# Allegro board PCIE_FIBER_BOARD-1116.brd
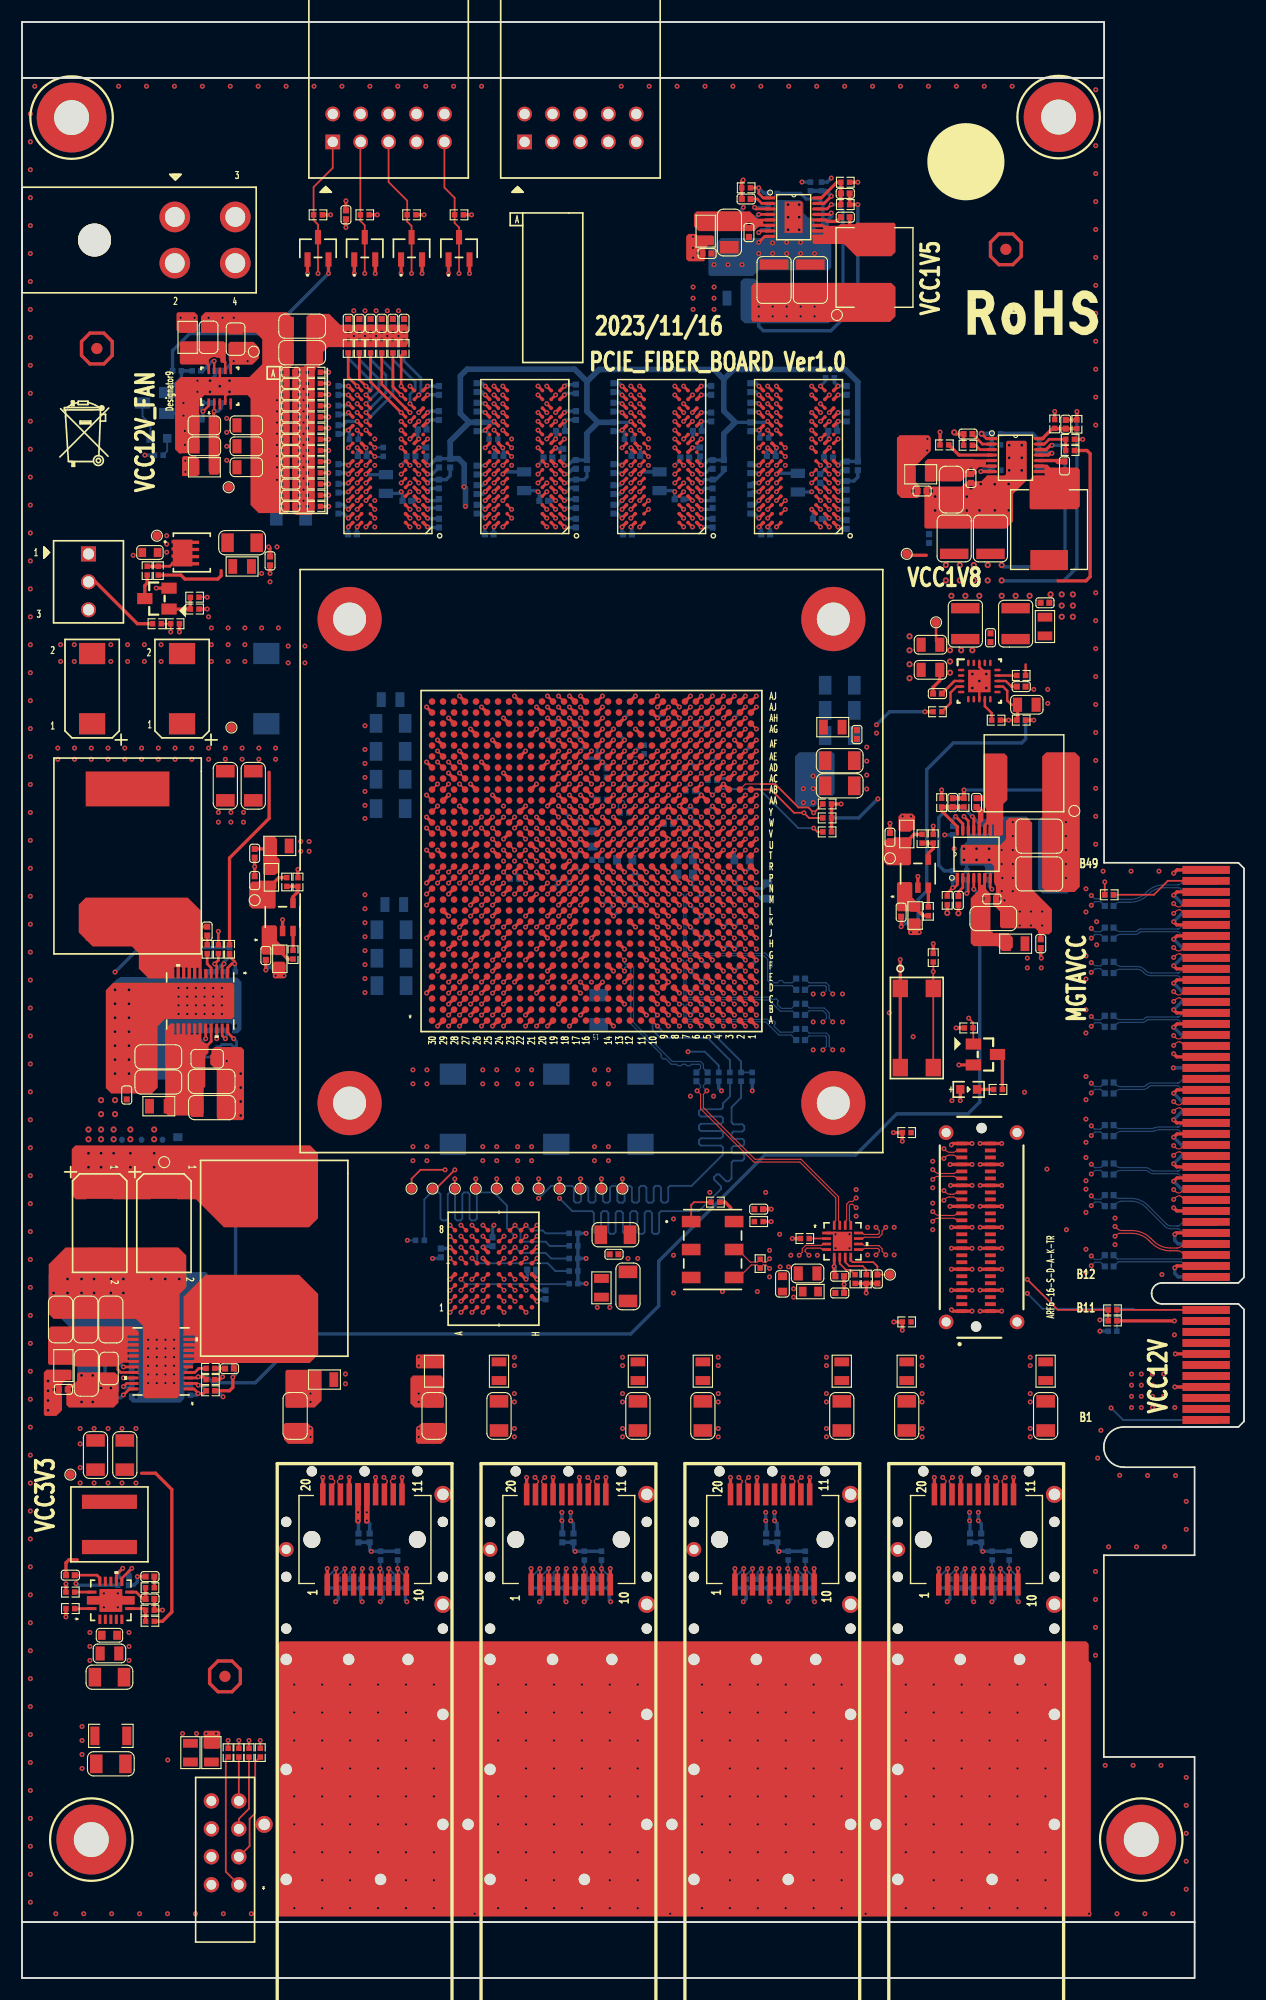
[diagram p0: board, top side]
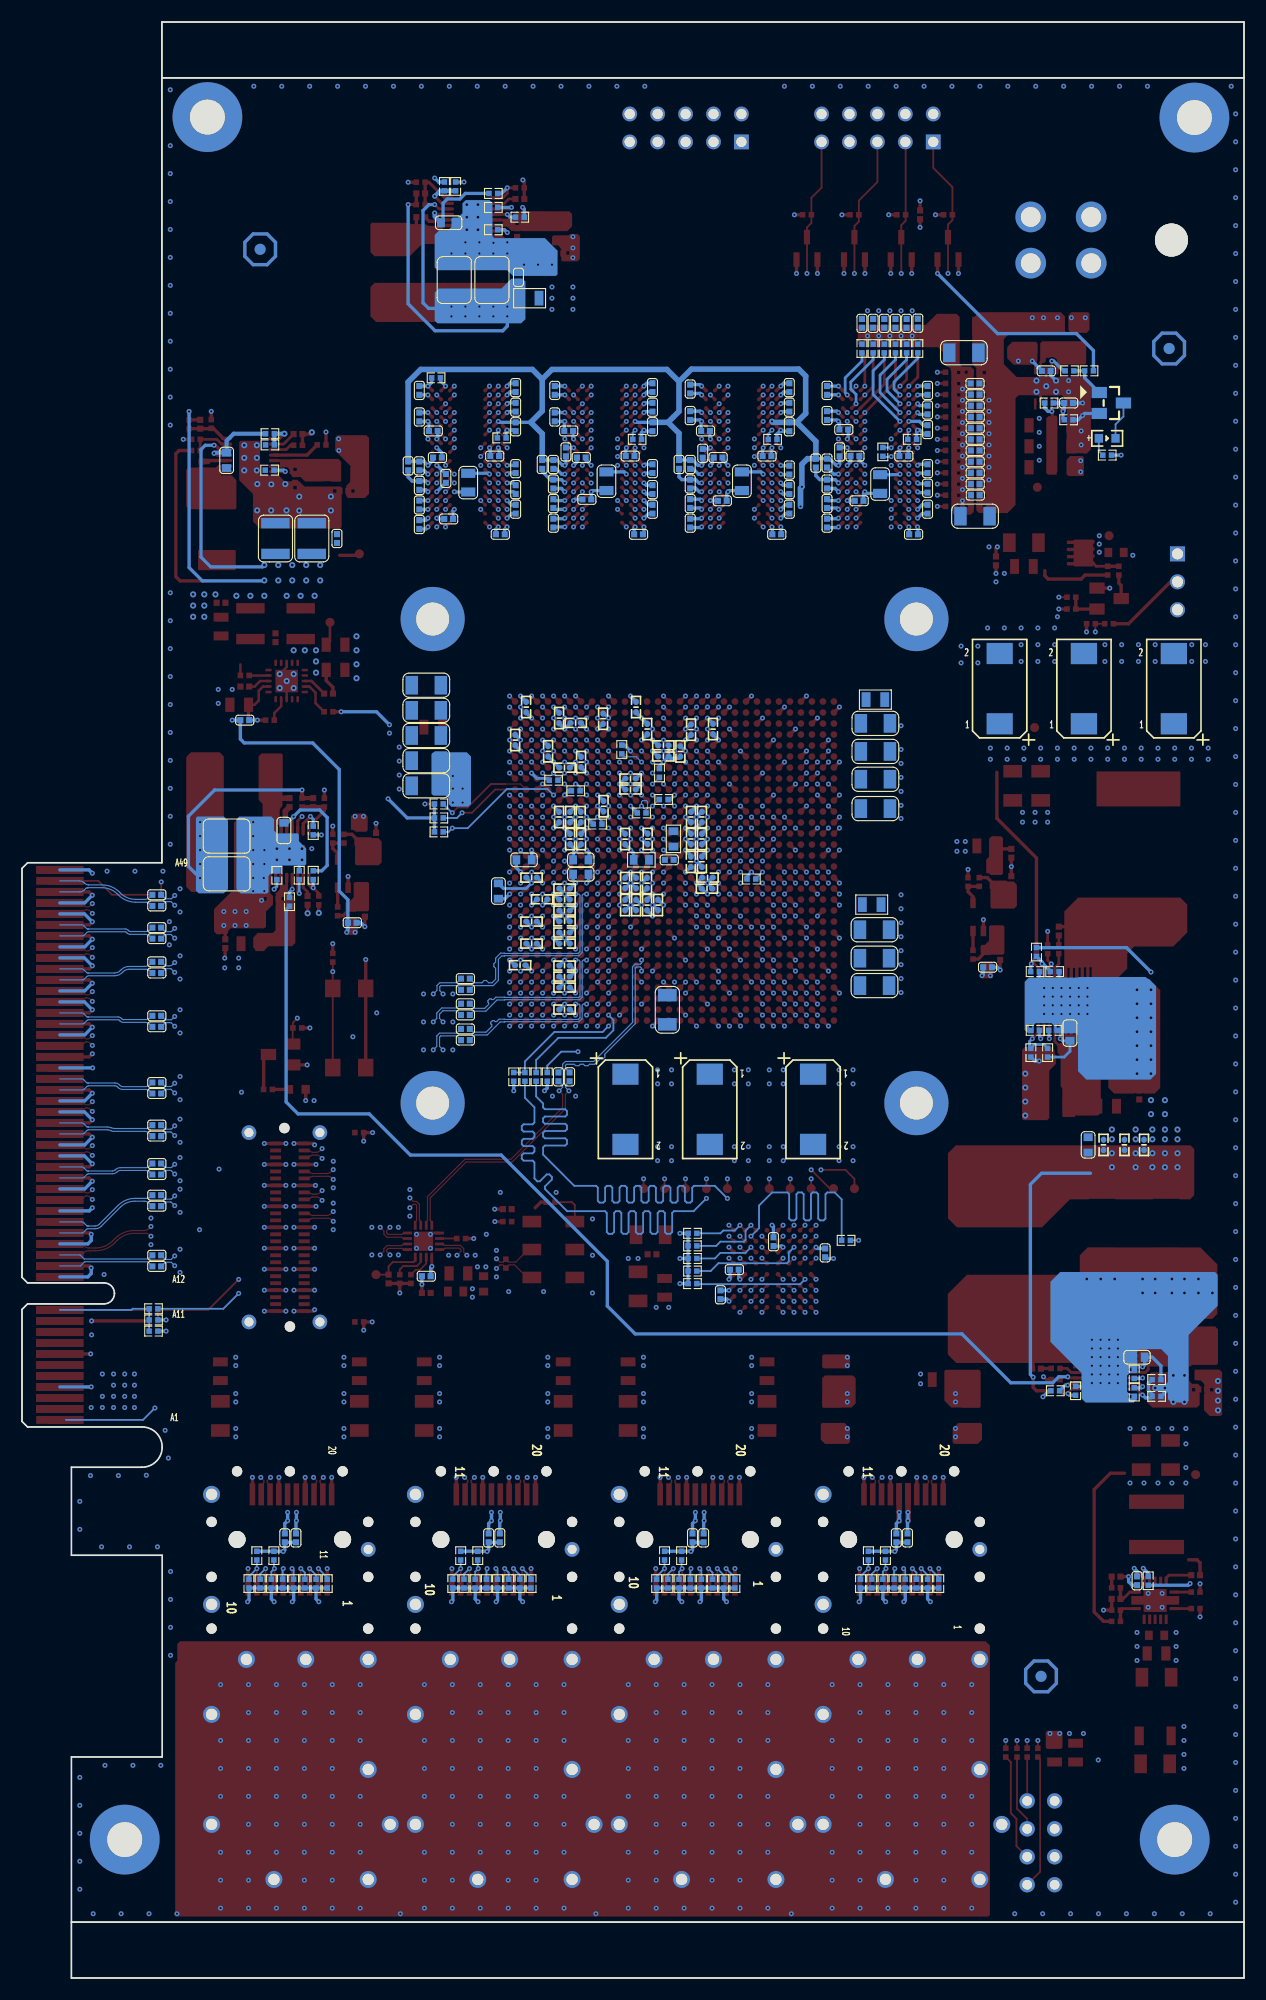
[diagram p1: board, bottom side, seen from below]

Outline 111.15 x 177.8 mm; copper layers: TOP, GND02, ART03, GND04, ART05, POWR06, GND07, ART08, GND09, ART10, GND11, BOTTOM. Coordinates in mm from the lower left corner of the outline.
Outline path: rectangle 0,172.72 98.42,177.8 ; rectangle 0,0 106.65,5.08 ; 0,172.72 0,177.8 98.42,177.8 98.42,172.72 ; 0,172.72 0,5.08 ; 0,172.72 0,5.08 ; 0,172.72 98.42,172.72 ; 0,172.72 98.42,172.72 ; 0,5.08 106.65,5.08 ; 0,5.08 106.65,5.08 ; 0,5.08 0,0 106.65,0 106.65,5.08 ; 106.65,5.08 106.65,20.09 ; 106.65,5.08 106.65,20.09 ; 98.4,48.26 arc(98.94,49.55) 100.23,50.09 ; 98.4,48.26 arc(98.94,49.55) 100.23,50.09 ; 98.4,48.26 arc(98.94,46.97) 100.23,46.43 ; 98.4,48.26 arc(98.94,46.97) 100.23,46.43 ; 100.23,50.09 110.64,50.09 ; 100.23,50.09 110.64,50.09 ; 98.4,38.43 106.65,38.43 ; 98.4,38.43 106.65,38.43 ; 98.4,38.43 98.4,20.09 ; 98.4,38.43 98.4,20.09 ; 106.65,38.43 106.65,46.43 ; 106.65,38.43 106.65,46.43 ; 98.4,20.09 106.65,20.09 ; 98.4,20.09 106.65,20.09 ; 98.42,172.72 98.42,101.37 ; 98.42,172.72 98.42,101.37 ; 98.42,101.37 110.64,101.37 ; 98.42,101.37 110.64,101.37 ; 110.64,50.09 111.15,50.6 ; 110.64,50.09 111.15,50.6 ; 100.23,46.43 106.65,46.43 ; 100.23,46.43 106.65,46.43 ; 102.74,62.24 arc(103.02,62.91) 103.68,63.18 ; 102.74,62.24 arc(103.02,62.91) 103.68,63.18 ; 102.74,62.24 102.74,62.22 ; 102.74,62.24 102.74,62.22 ; 103.68,63.18 110.64,63.18 ; 103.68,63.18 110.64,63.18 ; 102.74,62.22 arc(103.02,61.55) 103.68,61.28 ; 102.74,62.22 arc(103.02,61.55) 103.68,61.28 ; 110.64,63.18 111.15,63.69 ; 110.64,63.18 111.15,63.69 ; 103.68,61.28 110.64,61.28 ; 103.68,61.28 110.64,61.28 ; 110.64,101.37 111.15,100.86 ; 110.64,101.37 111.15,100.86 ; 111.15,63.69 111.15,100.86 ; 111.15,63.69 111.15,100.86 ; 110.64,61.28 111.15,60.77 ; 110.64,61.28 111.15,60.77 ; 111.15,50.6 111.15,60.77 ; 111.15,50.6 111.15,60.77

## Design rules (mm)
constraint set DEFAULT: min track width 0.165
net group FPGA_PCIE_REFCLK_N: nets FPGA_PCIE_REFCLK_N PCIE_CLK_100M_N
net group FPGA_PCIE_REFCLK_P: nets FPGA_PCIE_REFCLK_P PCIE_CLK_100M_P
net group FPGA_REFCLK_100M_N: nets FPGA_REFCLK_100M_N N16940258
net group FPGA_REFCLK_100M_P: nets FPGA_REFCLK_100M_P N16940256
net group FPGA_SFP_REFCLK_N: nets FPGA_SFP_REFCLK_N SFP_CLK_100M_N
net group FPGA_SFP_REFCLK_P: nets FPGA_SFP_REFCLK_P SFP_CLK_100M_P
net group FPGA_SFP_RX_0_: nets FPGA_SFP_RX_0_N FPGA_SFP_RX_0_P
net group FPGA_SFP_RX_1_: nets FPGA_SFP_RX_1_N FPGA_SFP_RX_1_P
net group FPGA_SFP_RX_2_: nets FPGA_SFP_RX_2_N FPGA_SFP_RX_2_P
net group FPGA_SFP_RX_3_: nets FPGA_SFP_RX_3_N FPGA_SFP_RX_3_P
net group FPGA_SFP_TX_0_: nets FPGA_SFP_TX_0_N FPGA_SFP_TX_0_P
net group FPGA_SFP_TX_1_: nets FPGA_SFP_TX_1_N FPGA_SFP_TX_1_P
net group FPGA_SFP_TX_2_: nets FPGA_SFP_TX_2_N FPGA_SFP_TX_2_P
net group FPGA_SFP_TX_3_: nets FPGA_SFP_TX_3_N FPGA_SFP_TX_3_P
net group MGT_CLK_100M_N: nets MGT_CLK_100M_N TEST_REFCLK_N
net group MGT_CLK_100M_P: nets MGT_CLK_100M_P TEST_REFCLK_P
net group NG_DDR3_D_0_7: nets DDR3_A_DQS0_N DDR3_A_DQS0_P
net group NG_DDR3_D_8_15: nets DDR3_A_DQS1_N DDR3_A_DQS1_P
net group NG_DDR3_D_16_23: nets DDR3_A_DQS2_N DDR3_A_DQS2_P
net group NG_DDR3_D_24_31: nets DDR3_A_DQS3_N DDR3_A_DQS3_P
net group NG_DDR3_D_32_39: nets DDR3_A_DQS4_N DDR3_A_DQS4_P
net group NG_DDR3_D_40_47: nets DDR3_A_DQS5_N DDR3_A_DQS5_P
net group NG_DDR3_D_48_55: nets DDR3_A_DQS6_N DDR3_A_DQS6_P
net group NG_DDR3_D_56_63: nets DDR3_A_DQS7_N DDR3_A_DQS7_P
net group PCIE_REFCLK_N: nets N16787011 PCIE_REFCLK_N
net group PCIE_REFCLK_P: nets N16787009 PCIE_REFCLK_P
net group PCIE_RXD_0_: nets PCIE_RXD_0_N PCIE_RXD_0_P
net group PCIE_RXD_1_: nets PCIE_RXD_1_N PCIE_RXD_1_P
net group PCIE_RXD_2_: nets PCIE_RXD_2_N PCIE_RXD_2_P
net group PCIE_RXD_3_: nets PCIE_RXD_3_N PCIE_RXD_3_P
net group PCIE_RXD_4_: nets PCIE_RXD_4_N PCIE_RXD_4_P
net group PCIE_RXD_5_: nets PCIE_RXD_5_N PCIE_RXD_5_P
net group PCIE_RXD_6_: nets PCIE_RXD_6_N PCIE_RXD_6_P
net group PCIE_RXD_7_: nets PCIE_RXD_7_N PCIE_RXD_7_P
net group PCIE_TXD_0_N: nets N16785066 PCIE_TXD_0_N
net group PCIE_TXD_0_P: nets N16785044 PCIE_TXD_0_P
net group PCIE_TXD_1_N: nets N16785116 PCIE_TXD_1_N
net group PCIE_TXD_1_P: nets N16785114 PCIE_TXD_1_P
net group PCIE_TXD_2_N: nets N16785182 PCIE_TXD_2_N
net group PCIE_TXD_2_P: nets N16785180 PCIE_TXD_2_P
net group PCIE_TXD_3_N: nets N16785248 PCIE_TXD_3_N
net group PCIE_TXD_3_P: nets N16785246 PCIE_TXD_3_P
net group PCIE_TXD_4_N: nets N16785314 PCIE_TXD_4_N
net group PCIE_TXD_4_P: nets N16785312 PCIE_TXD_4_P
net group PCIE_TXD_5_N: nets N16785380 PCIE_TXD_5_N
net group PCIE_TXD_5_P: nets N16785378 PCIE_TXD_5_P
net group PCIE_TXD_6_N: nets N16785512 PCIE_TXD_6_N
net group PCIE_TXD_6_P: nets N16785510 PCIE_TXD_6_P
net group PCIE_TXD_7_N: nets N16785578 PCIE_TXD_7_N
net group PCIE_TXD_7_P: nets N16785576 PCIE_TXD_7_P
net group TEST_TX_0_: nets TEST_TX_0_N TEST_TX_0_P
net group TEST_TX_1_: nets TEST_TX_1_N TEST_TX_1_P
net group TEST_TX_2_: nets TEST_TX_2_N TEST_TX_2_P
net group TEST_TX_3_: nets TEST_TX_3_N TEST_TX_3_P
net group VCXO_100M: nets VCXO_100M_N VCXO_100M_P
net group VR_32: nets VRN_32 VRP_32
net group VR_33: nets VRN_33 VRP_33
net group VR_34: nets VRN_34 VRP_34
net group 3W: nets FPGA_RESET FPGA_SFP0_IIC_SCL FPGA_SFP1_IIC_SCL FPGA_SFP2_IIC_SCL FPGA_SFP3_IIC_SCL FPGA_TCK PCIE_RST_N
net group BPI_FLASH_ADD: nets BPI_FLASH_A_0 BPI_FLASH_A_1 BPI_FLASH_A_2 BPI_FLASH_A_3 BPI_FLASH_A_4 BPI_FLASH_A_5 BPI_FLASH_A_6 BPI_FLASH_A_7 BPI_FLASH_A_8 BPI_FLASH_A_9 BPI_FLASH_A_10 BPI_FLASH_A_11 BPI_FLASH_A_12 BPI_FLASH_A_13 BPI_FLASH_A_14 BPI_FLASH_A_15 BPI_FLASH_A_16 BPI_FLASH_A_17 BPI_FLASH_A_18 BPI_FLASH_A_19 BPI_FLASH_A_20 BPI_FLASH_A_21 BPI_FLASH_A_22 BPI_FLASH_A_23 BPI_FLASH_A_24 BPI_FLASH_A_25
net group BPI_FLASH_CLK: nets BPI_FLASH_CLK
net group BPI_FLASH_QQ: nets BPI_FLASH_DQ_0 BPI_FLASH_DQ_1 BPI_FLASH_DQ_2 BPI_FLASH_DQ_3 BPI_FLASH_DQ_4 BPI_FLASH_DQ_5 BPI_FLASH_DQ_6 BPI_FLASH_DQ_7 BPI_FLASH_DQ_8 BPI_FLASH_DQ_9 BPI_FLASH_DQ_10 BPI_FLASH_DQ_11 BPI_FLASH_DQ_12 BPI_FLASH_DQ_13 BPI_FLASH_DQ_14 BPI_FLASH_DQ_15
net group BPI_FLASH_RST_B: nets BPI_FLASH_RST_B
net group BPI_FLASH_WAIT: nets BPI_FLASH_WAIT
net group POWER: nets $7N830 $7N832 $45N24 DDR_POWER_GOOD MGTAVCC_PG N16671344 N16672317 N16672324 N16672331 N16672704 N16673248 N16673267 N16673329 N16673629 N16716267 N16716359 N16716559 N16716571 N16716663 N16716703 N16716707 N16716803 N16717075 N16718397 N16720636 N16720676 N16721374 N16728285 N16728329 N16728485 N16728493 N16728501 N16728563 N16728607 N16728623 N16728663 N16728745 N16769397 N16769691 N16769695 N16769791 N16769823 N16769839 N16769935 N16770219 N16770359 N16771394 N16771812 N16773503 N16774020 N16774481 N16776070 N16776537 N16791990 N16797706 N16799597 N16799599 N16799687 N16804893 N16830782 N16831238 N16831254 N16831338 N16831858 N16834590 N16835504 N16835514 N16835584 N16836033 N16841265 N16841295 N16841309 N16841343 N16841418 N16841448 N16841487 N16841491 N16841601 N16881753 N17765267 N17766516 N22202204 N22202247 N22202333 N22202347 N22202393 N22202413 N22202417 N22202453 N22202455 N22202599 N22202663 VCC1V5_PG VCC1V8_PG VCC2V5 VCCINT_FPGA_PG VREG XADC_VCC

## Placement (name value [footprint] x y rotation side)
C2  0.1UF  [C0402]  52.28 101.64 0 bottom
C13  0.1UF  [C0402]  24.45 135.8 180 bottom
C14  0.1UF  [C0402]  24.45 136.81 180 bottom
C15  0.1UF  [C0402]  24.45 137.83 180 bottom
C97  0.1UF  [C0402]  17.99 146.09 180 bottom
C123  47UF  [C1206]  74.38 108.37 0 bottom
C143  47UF  [C1206]  33.53 106.3 180 bottom
C144  4.7UF  [C0402_BGA]  61.8 88.03 0 bottom
C145  4.7UF  [C0402_BGA]  12.78 75.73 90 bottom
C146  4.7UF  [C0402_BGA]  64.8 94.03 180 bottom
C147  4.7UF  [C0402_BGA]  63.84 98.05 180 bottom
C148  4.7UF  [C0402_BGA]  60.3 103.53 90 bottom
C150  4.7UF  [C0402_BGA]  50.3 105.53 90 bottom
C151  4.7UF  [C0402_BGA]  48.8 100.03 180 bottom
C152  4.7UF  [C0402_BGA]  50.32 101.46 90 bottom
C153  4.7UF  [C0402_BGA]  53.3 97.53 270 bottom
C159  100UF  [C1206]  52.45 88.01 270 bottom
C160  100UF  [C1206]  74.38 115.23 0 bottom
C161  100UF  [C1206]  74.38 117.51 0 bottom
C162  100UF  [C1206]  74.38 112.94 0 bottom
C187  0.01UF  [C0402]  63.83 137.58 90 bottom
C224  4.7UF  [C0805]  16.97 149.14 90 top
C250  10UF  [C0805]  57.99 136.06 270 bottom
C271  1000PF  [C0402]  15.96 143.17 180 bottom
C340  10UF  [C0805]  16.59 141.13 180 top
C341  10UF  [C0805]  16.59 139.23 180 top
C342  10UF  [C0805]  20.4 141.14 0 top
C343  10UF  [C0805]  20.4 137.33 0 top
C344  10UF  [C0805]  20.4 139.23 0 top
C399  47UF  [C1206]  74.38 110.66 0 bottom
C400  100UF  [C1206]  33.53 108.97 180 bottom
C401  100UF  [C1206]  33.53 114.05 180 bottom
C402  100UF  [C1206]  33.61 90.21 180 bottom
C418  47UF  [C1206]  74.38 108.37 0 top
C419  4.7UF  [C0402_BGA]  54.3 99.53 270 bottom
C420  4.7UF  [C0402_BGA]  56.3 103.53 270 bottom
C421  47UF  [C1206]  74.38 110.66 0 top
C422  4.7UF  [C0402_BGA]  54.24 103.55 270 bottom
C461  0.1UF  [C0402_BGA]  55.8 108.03 0 bottom
C462  0.1UF  [C0402_BGA]  61.8 110.02 0 bottom
C463  0.1UF  [C0402_BGA]  60.78 114.09 0 bottom
C490  0.1UF  [C0402_BGA]  50.29 113.47 90 bottom
C491  0.1UF  [C0402_BGA]  54.28 113.52 90 bottom
C492  0.1UF  [C0402_BGA]  52.81 111.03 180 bottom
C493  100UF  [C1206]  18.5 108.37 270 top
C494  100UF  [C1206]  21.04 108.37 270 top
C495  4.7UF  [C0402_BGA]  55.3 99.53 270 bottom
C496  4.7UF  [C0402_BGA]  56.3 99.53 270 bottom
C497  4.7UF  [C0402_BGA]  54.3 97.53 270 bottom
C498  4.7UF  [C0402_BGA]  50.3 103.53 90 bottom
C499  4.7UF  [C0402_BGA]  49.3 101.46 90 bottom
C500  4.7UF  [C0402_BGA]  48.85 99.02 180 bottom
C501  4.7UF  [C0402_BGA]  55.3 97.53 270 bottom
C502  4.7UF  [C0402_BGA]  49.3 105.53 90 bottom
C503  4.7UF  [C0402_BGA]  49.3 103.53 90 bottom
C504  4.7UF  [C0402_BGA]  56.3 97.53 270 bottom
C505  0.1UF  [C0402]  29.46 160.27 270 top
C506  4.7UF  [C0402]  53.8 141.01 270 bottom
C507  47nF  [C0402]  62.82 137.58 270 bottom
C508  0.1UF  [C0402_BGA]  48.3 113.53 270 bottom
C509  0.1UF  [C0402_BGA]  52.81 112.05 180 bottom
C510  0.1UF  [C0402_BGA]  65.3 115.53 270 bottom
C511  0.1UF  [C0402_BGA]  66.3 112.53 270 bottom
C512  0.1UF  [C0402_BGA]  60.3 110.53 270 bottom
C513  0.1UF  [C0402_BGA]  55.3 115.53 270 bottom
C514  0.1UF  [C0402_BGA]  51.26 111.5 270 bottom
C515  0.1UF  [C0402_BGA]  55.8 109.03 0 bottom
C516  0.1UF  [C0402_BGA]  58.3 114.46 90 bottom
C517  0.1UF  [C0402_BGA]  63.3 111.51 270 bottom
C518  0.1UF  [C0402_BGA]  58.25 106.52 270 bottom
C519  0.1UF  [C0402_BGA]  62.3 114.53 270 bottom
C520  0.01UF  [C0402]  61.68 138.72 90 bottom
C521  47UF  [C1206]  25.48 147.74 180 bottom
C522  4.7UF  [C0402]  24.45 139.86 180 bottom
C523  4.7UF  [C0402]  24.45 138.85 180 bottom
C524  0.1UF  [C0402]  24.45 143.93 180 top
C525  0.1UF  [C0402]  30.69 150.41 90 bottom
C526  0.1UF  [C0402]  31.7 150.41 90 bottom
C527  0.1UF  [C0402]  32.72 150.41 90 bottom
C528  47nF  [C0402]  60.28 138.21 180 bottom
C529  47nF  [C0402]  53.8 137.2 270 bottom
C530  47nF  [C0402]  62.82 132.25 90 bottom
C531  47nF  [C0402]  62.69 144.31 90 bottom
C532  47nF  [C0402]  53.8 144.56 90 bottom
C533  47nF  [C0402]  62.82 135.8 270 bottom
C534  47nF  [C0402]  53.8 135.29 90 bottom
C535  47nF  [C0402]  59.77 134.4 180 bottom
C536  47nF  [C0402]  62.82 134.02 90 bottom
C538  47nF  [C0402]  53.8 142.79 90 bottom
C539  47nF  [C0402]  62.69 141.9 270 bottom
C540  47nF  [C0402]  61.42 140.63 0 bottom
C541  47nF  [C0402]  53.8 133.52 270 bottom
C542  47nF  [C0402]  55.07 131.23 180 bottom
C543  47nF  [C0402]  55.83 138.34 180 bottom
C544  0.01UF  [C0402]  76.03 137.45 90 bottom
C545  0.01UF  [C0402]  75.01 137.45 270 bottom
C546  0.1UF  [C0402]  30.69 150.41 90 top
C547  0.1UF  [C0402]  31.7 150.41 90 top
C548  0.1UF  [C0402]  24.45 135.8 180 top
C549  47UF  [C1206]  25.48 150.15 180 top
C550  4.7UF  [C0402]  34.75 150.41 90 bottom
C551  4.7UF  [C0402]  34.75 150.41 90 top
C552  0.1UF  [C0402]  24.45 136.81 180 top
C553  0.1UF  [C0402]  24.45 137.83 180 top
C554  0.1UF  [C0402]  33.74 150.41 90 top
C555  0.1UF  [C0402]  24.45 138.85 180 top
C556  47nF  [C0402]  66.25 135.29 90 bottom
C557  47nF  [C0402]  72.6 136.31 270 bottom
C558  47nF  [C0402]  67.64 131.23 180 bottom
C559  47nF  [C0402]  68.15 138.34 180 bottom
C560  47nF  [C0402]  75.01 133.9 90 bottom
C561  47nF  [C0402]  75.01 135.67 270 bottom
C562  47nF  [C0402]  75.01 132.12 90 bottom
C563  4.7UF  [C0402]  66.25 141.01 270 bottom
C564  47nF  [C0402]  66.25 133.52 270 bottom
C565  47nF  [C0402]  73.74 140.63 0 bottom
C566  10UF  [C0805]  70.56 135.93 270 bottom
C567  47nF  [C0402]  66.25 144.56 90 bottom
C568  47nF  [C0402]  66.25 137.2 270 bottom
C569  47nF  [C0402]  66.25 142.79 90 bottom
C570  47nF  [C0402]  75.01 144.31 90 bottom
C571  47nF  [C0402]  72.34 132.63 180 bottom
C572  47nF  [C0402]  75.01 141.9 270 bottom
C573  47nF  [C0402]  73.36 138.21 180 bottom
C574  0.01UF  [C0402]  38.94 137.71 90 bottom
C575  0.01UF  [C0402]  28.78 140.75 270 bottom
C576  0.01UF  [C0402]  51.39 137.58 90 bottom
C577  0.01UF  [C0402]  49.23 138.6 90 bottom
C578  47nF  [C0402]  37.93 135.8 270 bottom
C579  47nF  [C0402]  35.01 134.28 180 bottom
C580  47nF  [C0402]  37.93 134.02 90 bottom
C581  47nF  [C0402]  30.94 138.34 180 bottom
C582  47nF  [C0402]  28.78 133.52 270 bottom
C583  47nF  [C0402]  28.78 135.42 90 bottom
C584  47nF  [C0402]  28.78 142.53 90 bottom
C585  4.7UF  [C0402]  36.78 138.72 90 bottom
C586  47nF  [C0402]  28.78 144.31 90 bottom
C587  47nF  [C0402]  30.05 131.23 180 bottom
C588  10UF  [C0805]  33.1 135.8 270 bottom
C589  47nF  [C0402]  37.93 142.02 270 bottom
C590  47nF  [C0402]  28.78 137.2 270 bottom
C591  47nF  [C0402]  37.93 144.31 90 bottom
C592  47nF  [C0402]  35.39 138.34 180 bottom
C593  47nF  [C0402]  36.4 140.75 0 bottom
C594  47nF  [C0402]  37.93 132.25 90 bottom
C595  47nF  [C0402]  37.93 137.71 270 bottom
C596  0.1UF  [C0402]  29.67 150.42 90 bottom
C597  0.1UF  [C0402]  32.72 150.41 90 top
C598  0.1UF  [C0402]  33.74 150.41 90 bottom
C599  47UF  [C1206]  24.46 132.88 180 bottom
C600  4.7UF  [C0402]  29.67 150.41 90 top
C601  4.7UF  [C0402]  24.45 133.77 180 top
C602  0.1UF  [C0402]  24.45 141.89 180 bottom
C603  0.1UF  [C0402]  24.45 134.78 180 top
C604  0.1UF  [C0402]  24.45 140.88 180 bottom
C605  0.1UF  [C0402]  24.45 145.96 180 top
C606  47nF  [C0402]  42.5 131.23 180 bottom
C607  47nF  [C0402]  50.37 134.02 90 bottom
C608  47nF  [C0402]  50.37 142.02 270 bottom
C609  47nF  [C0402]  41.36 142.79 90 bottom
C610  47nF  [C0402]  41.36 133.52 270 bottom
C611  47nF  [C0402]  50.37 135.8 270 bottom
C612  47nF  [C0402]  41.36 137.07 270 bottom
C613  4.7UF  [C0402]  50.37 137.58 270 bottom
C614  47nF  [C0402]  50.37 144.44 90 bottom
C615  47nF  [C0402]  41.36 135.29 90 bottom
C616  10UF  [C0805]  45.67 136.06 270 bottom
C617  47nF  [C0402]  47.45 134.28 180 bottom
C618  47nF  [C0402]  47.83 138.21 180 bottom